# KiCad board vme-wren.kicad_pcb (continued)
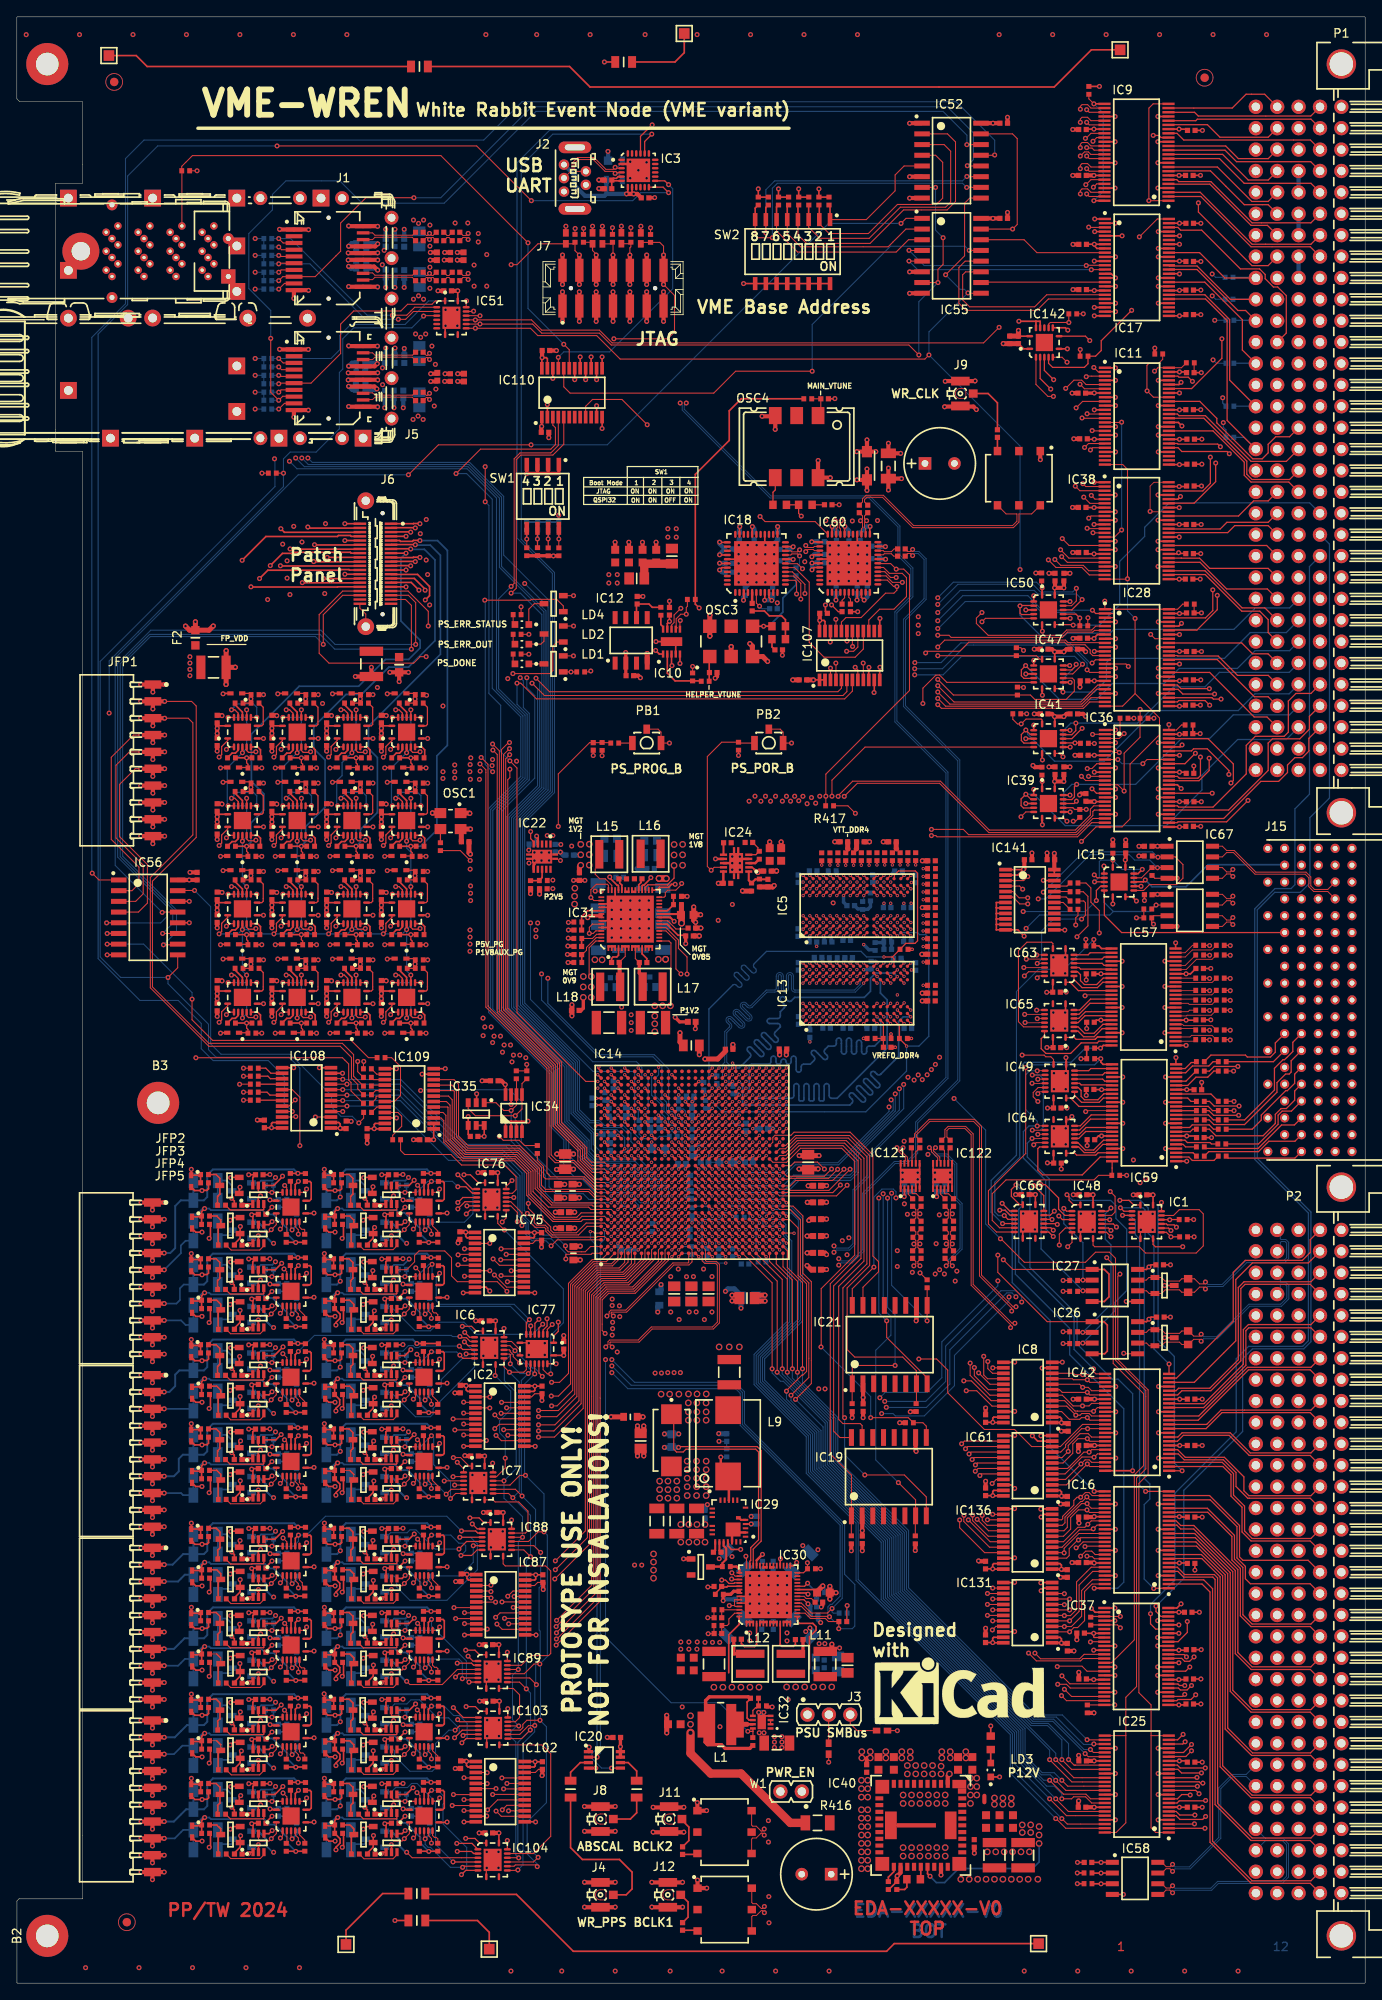
[diagram p0: board, top side]
## Placement (name value [footprint] x y rotation side) (continued)
IC54  SN74LVC1T45DCKT  [SOT65P210X110-6N]  28.69 78.95 90 top
IC55  SN74LV166ANS  [SOIC127P780X200-16N]  111 205.09 0 top
IC56  SN74LV166ANS  [SOIC127P780X200-16N]  15.6 126.54 0 top
IC57  DS90LV027AQMA_NOPB  [SOIC127P600X175-8N]  139.3 127.37 0 top
IC58  DS90LV027AQMA_NOPB  [SOIC127P600X175-8N]  132.8 12.44 0 top
IC59  SN74LVCH16T245DGG  [SOP50P810X120-48N]  133.88 103.34 180 top
IC60  SI5340B-D-GM  [QFN50P700X700X90-45N-S530]  98.8 168.59 90 top
IC61  SN74LXCH8T245PWR  [SOP65P640X120-24N]  120.06 61.44 180 top
IC62  SN74LVTH125RGY  [TEXAS_RGY (S-PVQFN-N14)]  46.29 117.04 90 top
IC63  SN74LV595ARGYR  [TEXAS_RGY (R-PVQFN-N16)]  123.8 120.84 180 top
IC64  SN74LV595ARGYR  [TEXAS_RGY (R-PVQFN-N16)]  123.87 100.54 180 top
IC65  SN74LV595ARGYR  [TEXAS_RGY (R-PVQFN-N16)]  123.8 114.29 180 top
IC66  SN74LV595ARGYR  [TEXAS_RGY (R-PVQFN-N16)]  120.21 90.44 0 top
IC67  DS90LV027AQMA_NOPB  [SOIC127P600X175-8N]  139.3 133.09 0 top
IC68  SN74LVC1T45DCKT  [SOT65P210X110-6N]  28.68 83.61 90 top
IC69  SN74LVTH125RGY  [TEXAS_RGY (S-PVQFN-N14)]  48.36 82.15 90 top
IC70  SN74LVC1T45DCKT  [SOT65P210X110-6N]  44.49 78.95 90 top
IC71  SN74LVC1T45DCKT  [SOT65P210X110-6N]  44.48 83.61 90 top
IC72  SN74LVTH125RGY  [TEXAS_RGY (S-PVQFN-N14)]  48.36 61.95 90 top
IC73  SN74LVC1T45DCKT  [SOT65P210X110-6N]  44.49 58.75 90 top
IC74  SN74LVC1T45DCKT  [SOT65P210X110-6N]  44.48 63.41 90 top
IC75  SN74LXCH8T245PWR  [SOP65P640X120-24N]  57.31 85.56 0 top
IC76  SN74LV595ARGYR  [TEXAS_RGY (R-PVQFN-N16)]  56.36 93.04 0 top
IC77  SN74LV595ARGYR  [TEXAS_RGY (R-PVQFN-N16)]  61.75 75.29 270 top
IC78  SN74LVTH125RGY  [TEXAS_RGY (S-PVQFN-N14)]  32.56 71.95 90 top
IC79  SN74LVC1T45DCKT  [SOT65P210X110-6N]  28.69 68.75 90 top
IC80  SN74LVC1T45DCKT  [SOT65P210X110-6N]  28.68 73.41 90 top
IC81  SN74LVTH125RGY  [TEXAS_RGY (S-PVQFN-N14)]  48.36 71.95 90 top
IC82  SN74LVC1T45DCKT  [SOT65P210X110-6N]  44.49 68.75 90 top
IC83  SN74LVC1T45DCKT  [SOT65P210X110-6N]  44.48 73.41 90 top
IC84  SN74LVTH125RGY  [TEXAS_RGY (S-PVQFN-N14)]  32.56 61.95 90 top
IC85  SN74LVC1T45DCKT  [SOT65P210X110-6N]  28.69 58.75 90 top
IC86  SN74LVC1T45DCKT  [SOT65P210X110-6N]  28.68 63.41 90 top
IC87  SN74LXCH8T245PWR  [SOP65P640X120-24N]  57.46 44.94 0 top
IC88  SN74LV595ARGYR  [TEXAS_RGY (R-PVQFN-N16)]  57 52.69 0 top
IC89  SN74LV595ARGYR  [TEXAS_RGY (R-PVQFN-N16)]  56.5 36.99 0 top
IC90  SN74LVTH125RGY  [TEXAS_RGY (S-PVQFN-N14)]  48.37 50.14 90 top
IC91  SN74LVC1T45DCKT  [SOT65P210X110-6N]  44.5 46.95 90 top
IC92  SN74LVC1T45DCKT  [SOT65P210X110-6N]  44.48 51.61 90 top
IC93  SN74LVTH125RGY  [TEXAS_RGY (S-PVQFN-N14)]  32.57 40.14 90 top
IC94  SN74LVC1T45DCKT  [SOT65P210X110-6N]  28.7 36.95 90 top
IC95  SN74LVC1T45DCKT  [SOT65P210X110-6N]  28.68 41.61 90 top
IC96  SN74LVTH125RGY  [TEXAS_RGY (S-PVQFN-N14)]  32.57 50.14 90 top
IC97  SN74LVC1T45DCKT  [SOT65P210X110-6N]  28.7 46.95 90 top
IC98  SN74LVC1T45DCKT  [SOT65P210X110-6N]  28.68 51.61 90 top
IC99  SN74LVTH125RGY  [TEXAS_RGY (S-PVQFN-N14)]  48.37 40.14 90 top
IC100  SN74LVC1T45DCKT  [SOT65P210X110-6N]  44.5 36.95 90 top
IC101  SN74LVC1T45DCKT  [SOT65P210X110-6N]  44.48 41.61 90 top
IC102  SN74LXCH8T245PWR  [SOP65P640X120-24N]  57.4 22.74 0 top
IC103  SN74LV595ARGYR  [TEXAS_RGY (R-PVQFN-N16)]  56.55 30.29 0 top
IC104  SN74LV595ARGYR  [TEXAS_RGY (R-PVQFN-N16)]  56.5 14.64 0 top
IC105  SN74LVTH125RGY  [TEXAS_RGY (S-PVQFN-N14)]  32.57 29.84 90 top
IC106  SN74LVC1T45DCKT  [SOT65P210X110-6N]  28.7 26.65 90 top
IC107  SN74LXCH8T245PWR  [SOP65P640X120-24N]  98.9 157.64 90 top
IC108  SN74LXCH8T245PWR  [SOP65P640X120-24N]  34.4 105.11 180 top
IC109  SN74LXCH8T245PWR  [SOP65P640X120-24N]  46.6 105 180 top
IC110  SN74LXCH8T245PWR  [SOP65P640X120-24N]  65.93 188.84 90 top
IC111  SN74LVC1T45DCKT  [SOT65P210X110-6N]  28.68 31.31 90 top
IC112  SN74LVTH125RGY  [TEXAS_RGY (S-PVQFN-N14)]  32.57 19.84 90 top
IC113  SN74LVC1T45DCKT  [SOT65P210X110-6N]  28.7 16.65 90 top
IC114  SN74LVC1T45DCKT  [SOT65P210X110-6N]  28.68 21.31 90 top
IC115  SN74LVTH125RGY  [TEXAS_RGY (S-PVQFN-N14)]  48.37 19.84 90 top
IC116  SN74LVC1T45DCKT  [SOT65P210X110-6N]  44.5 16.65 90 top
IC117  SN74LVC1T45DCKT  [SOT65P210X110-6N]  44.48 21.31 90 top
IC118  SN74LVTH125RGY  [TEXAS_RGY (S-PVQFN-N14)]  48.37 29.84 90 top
IC119  SN74LVC1T45DCKT  [SOT65P210X110-6N]  44.5 26.65 90 top
IC120  SN74LVC1T45DCKT  [SOT65P210X110-6N]  44.48 31.31 90 top
IC121  LTC6957IDD-2#PBF  [SON45P300X300X80-13N-R175X248]  106.09 95.84 90 top
IC122  LTC6957IDD-2#PBF  [SON45P300X300X80-13N-R175X248]  109.94 95.84 90 top
IC123  SN74LVCH16T245DGG  [SOP50P810X120-48N]  133.81 117.09 180 top
IC124  SN74LVTH125RGY  [TEXAS_RGY (S-PVQFN-N14)]  39.79 117.04 90 top
IC125  SN74LVTH125RGY  [TEXAS_RGY (S-PVQFN-N14)]  33.29 117.04 90 top
IC126  SN74LVTH125RGY  [TEXAS_RGY (S-PVQFN-N14)]  26.79 117.04 90 top
IC127  SN74LVTH125RGY  [TEXAS_RGY (S-PVQFN-N14)]  39.79 138.04 90 top
IC128  SN74LVTH125RGY  [TEXAS_RGY (S-PVQFN-N14)]  33.29 138.04 90 top
IC129  SN74LVTH125RGY  [TEXAS_RGY (S-PVQFN-N14)]  26.79 138.04 90 top
IC130  SN74LVTH125RGY  [TEXAS_RGY (S-PVQFN-N14)]  46.29 138.04 90 top
IC131  SN74LXCH8T245PWR  [SOP65P640X120-24N]  120.05 43.99 180 top
IC132  SN74LVTH125RGY  [TEXAS_RGY (S-PVQFN-N14)]  39.79 127.54 90 top
IC133  SN74LVTH125RGY  [TEXAS_RGY (S-PVQFN-N14)]  46.29 127.54 90 top
IC134  SN74LVTH125RGY  [TEXAS_RGY (S-PVQFN-N14)]  26.79 127.54 90 top
IC135  SN74LVTH125RGY  [TEXAS_RGY (S-PVQFN-N14)]  33.29 127.54 90 top
IC136  SN74LXCH8T245PWR  [SOP65P640X120-24N]  120.05 52.74 180 top
IC137  SN74LVTH125RGY  [TEXAS_RGY (S-PVQFN-N14)]  26.79 148.54 90 top
IC138  SN74LVTH125RGY  [TEXAS_RGY (S-PVQFN-N14)]  33.29 148.54 90 top
IC139  SN74LVTH125RGY  [TEXAS_RGY (S-PVQFN-N14)]  46.29 148.54 90 top
IC140  SN74LVTH125RGY  [TEXAS_RGY (S-PVQFN-N14)]  39.79 148.54 90 top
IC141  SN74LXCH8T245PWR  [SOP65P640X120-24N]  120.31 128.64 0 top
IC142  SN74LVTH125RGY  [TEXAS_RGY (S-PVQFN-N14)]  122.03 194.8 90 top
J1  SFP2 (bottom)  [TYCO_1888247-1]  37.02 204.82 0 top  (not fitted)
J2  -  [MOLEX_500075-1517]  66.28 214.32 90 top
J3  -  [SAMTEC_MTLW-103-07-L-S-250]  93.9 31.89 0 top
J4  -  [HIROSE_U.FL-R-SMT-1(10)]  69.31 10.49 90 top
J5  SFP2 (bottom)  [TYCO_1888247-1]  37.02 190.58 0 top
J6  SAMTEC_LSHM-120-02.5-L-DV-A-S  [SAMTEC_LSHM-120-02.5-X-DV-A-S]  42.59 168.54 90 top
J7  -  [MOLEX_87832-1420]  70.8 201.25 0 top
J8  -  [HIROSE_U.FL-R-SMT-1(10)]  69.31 19.49 90 top
J9  -  [HIROSE_U.FL-R-SMT-1(10)]  112.05 188.74 90 top
J11  -  [HIROSE_U.FL-R-SMT-1(10)]  77.46 19.49 90 top
J12  -  [HIROSE_U.FL-R-SMT-1(10)]  77.31 10.49 90 top
J13  -  [TYCO_2149027-1]  17 205.64 0 top  (not fitted)
J15  HARTING_17_25_095_2102  [HARTING_17 25 095 2102]  158.56 134.74 0 top
JFP1  -  [HARWIN_M22-6541042R]  16.15 145.19 90 top
JFP2  -  [HARWIN_M22-6541042R]  16.1 83.69 90 top
JFP3  -  [HARWIN_M22-6541042R]  16.1 63.19 90 top
JFP4  -  [HARWIN_M22-6541042R]  16.1 42.69 90 top
JFP5  -  [HARWIN_M22-6541042R]  16.1 22.19 90 top
L1  IND_10UH_20%_TDK_VLCF5020-1  [IND_TDK_VLCF5020-1]  83.59 30.7 180 top
L2  IND0805_WURTH_742792040  [INDC2012X110N]  80.1 111.34 180 top
L3  IND0805_MURATA_BLM21PG221SN1D  [INDC2012X105N]  47.8 187.99 270 bottom
L4  IND0805_MURATA_BLM21PG221SN1D  [INDC2012X105N]  47.8 193.49 90 bottom
L5  IND0603_MURATA_BLM18PG121SN1D  [INDC1608X95N]  84.23 97.46 180 bottom
L6  IND0603_MURATA_BLM18PG121SN1D  [INDC1608X95N]  76.2 99.06 0 bottom
L7  IND1206_MURATA_BLM31PG500SN1  [IND_MURATA_BLM31PG]  100.96 180.16 270 top
L8  IND0805_MURATA_BLM21PG221SN1D  [INDC2012X105N]  47.83 202.28 270 bottom
L9  IND_175NH_15%_PULSE_PA2607.181NL  [IND_PULSE_PA2607]  84.47 64.1 90 top
L11  IND_3.3UH_20%_COILCRAFT_XAL4030  [IND_COILCRAFT_XAL4030]  91.92 37.92 270 top
L12  IND_3.3UH_20%_COILCRAFT_XAL4030  [IND_COILCRAFT_XAL4030]  87.1 37.92 270 top
L13  IND0805_MURATA_BLM21PG221SN1D  [INDC2012X105N]  77.79 169.44 270 top
L14  IND0805_MURATA_BLM21PG221SN1D  [INDC2012X105N]  73.62 166.79 180 top
L15  IND_1.5UH_20%_COILCRAFT_XAL4020  [IND_COILCRAFT_XAL4020]  70.36 134.04 180 top
L16  IND_2.2UH_20%_COILCRAFT_XAL4020  [IND_COILCRAFT_XAL4020]  75.27 134.09 0 top
L17  IND_1.5UH_20%_COILCRAFT_XAL4020  [IND_COILCRAFT_XAL4020]  75.51 118.32 0 top
L18  IND_1.5UH_20%_COILCRAFT_XAL4020  [IND_COILCRAFT_XAL4020]  70.47 118.3 180 top
L19  IND0805_MURATA_BLM21PG221SN1D  [INDC2012X105N]  47.79 207.1 90 bottom
LD1  -  [LED_KINGBRIGHT_KPH-1608CGCK]  59.98 156.64 180 top
LD2  -  [LED_KINGBRIGHT_KPH-1608CGCK]  59.98 158.98 180 top
LD3  -  [LED_KINGBRIGHT_KPH-1608CGCK]  115.66 25.31 90 top
LD4  -  [LED_KINGBRIGHT_KPH-1608CGCK]  59.98 161.32 180 top
LOGO1  -  [KiCad-Logo_8mm_SilkScreen]  112 34.74 0 top
NUT5  -  [BOSSARD_BN628-1241427_v]  51.68 269.6 0 top
NUT6  -  [BOSSARD_BN628-1241427_v]  51.68 262.6 0 top
NUT7  -  [BOSSARD_BN628-1241427_v]  51.68 255.6 0 top
NUT8  -  [BOSSARD_BN628-1241427_v]  51.68 248.6 0 top
OSC1  OSC_50MHZ_EPSON_SG-8018CE  [OSC_EPSON_SG-8018CE]  51.5 137.98 270 top
OSC3  OSC_25MHZ_KYOCERA_KV7050B25.0000C3GD00  [OSC_KYOCERA_KV7050B-C3]  84.84 159.31 90 top
OSC4  OSC_10MHZ_CONNOR-WINFIELD_DOT050V-010.0M  [OSC_CONNOR-WINFIELD_DOT050V]  92.61 182.44 270 top
P1  HARTING_02_01_160_2101  [HARTING_02 01 160 2101]  157.3 222.78 0 top
P2  HARTING_02_01_160_2101  [HARTING_02 01 160 2101]  157.3 89.43 0 top
PB1  -  [PB_OMRON_B3U-1100P]  74.8 147.24 180 top
PB2  -  [PB_OMRON_B3U-1100P]  89.3 147.24 180 top
R1  R0402_240R_1%_0.0625W_100PPM  [RESC1005X40N]  81.79 104.33 90 bottom
R2  R0402_300R_1%_0.0625W_100PPM  [RESC1005X40N]  59.41 157.81 0 top
R3  R0402_300R_1%_0.0625W_100PPM  [RESC1005X40N]  59.41 160.15 0 top
R4  R0402_300R_1%_0.0625W_100PPM  [RESC1005X40N]  59.41 162.49 0 top
R5  R0402_4K7_1%_0.0625W_100PPM  [RESC1005X40N]  66.96 155.69 0 top
R6  R0402_10K_1%_0.0625W_100PPM  [RESC1005X40N]  49.01 90.82 90 bottom
R7  R0402_10K_1%_0.0625W_100PPM  [RESC1005X40N]  64.35 172.99 90 bottom
R8  R0402_4K7_1%_0.0625W_100PPM  [RESC1005X40N]  106.7 52.64 270 top
R9  R0402_4K7_1%_0.0625W_100PPM  [RESC1005X40N]  78.59 104.26 90 bottom
R10  R0402_10K_1%_0.0625W_100PPM  [RESC1005X40N]  45.8 94.74 180 bottom
R11  R0402_500R_0.1%_0.05W_25PPM_VISHAY_PNM  [RESC1106X84N]  72.33 103.46 90 bottom
R12  R0402_4K7_1%_0.0625W_100PPM  [RESC1005X40N]  106 66.54 180 top
R13  R0402_4K7_1%_0.0625W_100PPM  [RESC1005X40N]  99.1 52.64 270 top
R14  R0402_4K7_1%_0.0625W_100PPM  [RESC1005X40N]  106.8 68.34 270 top
R15  R0402_4K7_1%_0.0625W_100PPM  [RESC1005X40N]  108.1 83.04 90 top
R16  R0402_4K7_1%_0.0625W_100PPM  [RESC1005X40N]  99.2 68.34 270 top
R17  R0402_4K7_1%_0.0625W_100PPM  [RESC1005X40N]  29.8 186.9 180 bottom
R18  R0402_4K7_1%_0.0625W_100PPM  [RESC1005X40N]  29.8 188.9 180 bottom
R19  R0402_4K7_1%_0.0625W_100PPM  [RESC1005X40N]  29.8 187.94 180 bottom
R20  R0402_240R_1%_0.0625W_100PPM  [RESC1005X40N]  85.91 90.94 0 bottom
R21  R0402_240R_1%_0.0625W_100PPM  [RESC1005X40N]  75.47 89.72 270 bottom
R22  R0402_240R_1%_0.0625W_100PPM  [RESC1005X40N]  88.5 85.64 180 bottom
R23  R0402_240R_1%_0.0625W_100PPM  [RESC1005X40N]  96.96 121.75 0 bottom
R24  R0402_10K_1%_0.0625W_100PPM  [RESC1005X40N]  63.12 172.98 90 bottom
R25  R0402_4K7_1%_0.0625W_100PPM  [RESC1005X40N]  98.13 42.93 0 bottom
R26  R0402_4K7_1%_0.0625W_100PPM  [RESC1005X40N]  98.13 43.94 0 bottom
R27  R0402_22R_1%_0.0625W_100PPM  [RESC1005X40N]  50.3 134.94 270 top
R28  R0402_4R7_1%_0.0625W_200PPM  [RESC1005X40N]  47.79 88.43 270 top
R29  R0402_4R7_1%_0.0625W_200PPM  [RESC1005X40N]  49.99 88.44 270 top
R30  R0402_4K7_1%_0.0625W_100PPM  [RESC1005X40N]  29.8 191.9 180 bottom
R31  R0402_4K7_1%_0.0625W_100PPM  [RESC1005X40N]  29.8 190.9 180 bottom
R32  R0402_4R7_1%_0.0625W_200PPM  [RESC1005X40N]  50.07 95.66 90 top
R33  R0402_4R7_1%_0.0625W_200PPM  [RESC1005X40N]  48.28 95.68 90 top
R34  R0402_240R_1%_0.0625W_100PPM  [RESC1005X40N]  96.83 132.07 0 bottom
R35  R0402_1K_1%_0.0625W_100PPM  [RESC1005X40N]  38.09 95.03 180 top
R36  R0402_1K_1%_0.0625W_100PPM  [RESC1005X40N]  38.21 90.09 180 top
R37  R0402_75K_1%_0.0625W_100PPM  [RESC1005X40N]  84.3 62.96 90 bottom
R38  R0805_4R7_1%_0.125W_200PPM  [RESC2012X60N]  73.61 23.04 270 top
R39  R0805_4R7_1%_0.125W_200PPM  [RESC2012X60N]  65.76 23.04 270 top
R40  R0402_10K_1%_0.0625W_100PPM  [RESC1005X40N]  127.13 32.56 270 top
R41  R1206_91R_1%_0.25W_100PPM  [RESC3216X65N]  38.21 88.15 180 bottom
R42  R0402_100R_1%_0.0625W_100PPM  [RESC1005X40N]  38.09 96.01 0 top
R43  R0402_100R_1%_0.0625W_100PPM  [RESC1005X40N]  38.21 91.09 0 top
R44  R0402_100R_1%_0.0625W_100PPM  [RESC1005X40N]  101.46 112.17 0 top
R45  R0402_100R_1%_0.0625W_100PPM  [RESC1005X40N]  40.11 92.37 0 top
R46  R0402_4K7_1%_0.0625W_100PPM  [RESC1005X40N]  75.26 207.16 90 top
R47  R0402_100R_1%_0.0625W_100PPM  [RESC1005X40N]  40.19 87.63 0 top
R48  R0402_10K_1%_0.0625W_100PPM  [RESC1005X40N]  30 94.74 180 bottom
R49  R0402_10K_1%_0.0625W_100PPM  [RESC1005X40N]  30 84.74 180 bottom
R50  R0402_4R7_1%_0.0625W_200PPM  [RESC1005X40N]  31.99 88.43 270 top
R51  R0402_4K7_1%_0.0625W_100PPM  [RESC1005X40N]  66.29 207.17 90 top
R52  R0402_4K7_1%_0.0625W_100PPM  [RESC1005X40N]  67.29 207.17 90 top
R53  R0402_4K7_1%_0.0625W_100PPM  [RESC1005X40N]  70.74 207.17 90 top
R54  R0402_4K7_1%_0.0625W_100PPM  [RESC1005X40N]  72.92 207.18 90 top
R55  R0402_10K_1%_0.0625W_100PPM  [RESC1005X40N]  143.96 202.54 180 bottom
R56  R0402_10K_1%_0.0625W_100PPM  [RESC1005X40N]  143.96 199.94 180 bottom
R57  R0402_240R_1%_0.0625W_100PPM  [RESC1005X40N]  81.75 154.58 0 top
R58  R0402_240R_1%_0.0625W_100PPM  [RESC1005X40N]  93.93 188.12 0 top
R59  R0402_10K_1%_0.0625W_100PPM  [RESC1005X40N]  144.06 197.44 180 bottom
R60  R0402_10K_1%_0.0625W_100PPM  [RESC1005X40N]  144.06 192.34 180 bottom
R61  R0402_10K_1%_0.0625W_100PPM  [RESC1005X40N]  144.06 187.24 180 bottom
R62  R0402_10K_1%_0.0625W_100PPM  [RESC1005X40N]  62.53 130.92 0 top
R63  R0402_1K_1%_0.0625W_100PPM  [RESC1005X40N]  80.19 91.6 270 bottom
R64  R0402_4K7_1%_0.0625W_100PPM  [RESC1005X40N]  61.01 130.44 90 top
R65  R0402_0R_JUMPER  [RESC1005X40N]  92.53 167.57 90 bottom
R66  R0402_0R_JUMPER  [RESC1005X40N]  80.1 164.29 0 top
R67  R0402_10K_1%_0.0625W_100PPM  [RESC1005X40N]  144.06 183.54 180 bottom
R68  R0402_10K_1%_0.0625W_100PPM  [RESC1005X40N]  125.5 75.94 0 top
R69  R0402_10K_1%_0.0625W_100PPM  [RESC1005X40N]  125.5 83.43 180 top
R70  R0402_39R2_1%_0.063W_100PPM  [RESC1005X40N]  108.62 125.86 0 top
R71  R0402_39R2_1%_0.063W_100PPM  [RESC1005X40N]  103.99 133.75 90 top
R72  R0402_39R2_1%_0.063W_100PPM  [RESC1005X40N]  108.62 124.01 0 top
R73  R0402_39R2_1%_0.063W_100PPM  [RESC1005X40N]  102.15 133.75 90 top
R74  R0402_39R2_1%_0.063W_100PPM  [RESC1005X40N]  108.63 128.64 0 top
R75  R0402_39R2_1%_0.063W_100PPM  [RESC1005X40N]  103.07 133.75 90 top
R76  R0402_39R2_1%_0.063W_100PPM  [RESC1005X40N]  108.62 124.93 0 top
R77  R0402_39R2_1%_0.063W_100PPM  [RESC1005X40N]  104.9 133.75 90 top
R78  R0402_39R2_1%_0.063W_100PPM  [RESC1005X40N]  108.62 123.08 0 top
R79  R0402_39R2_1%_0.063W_100PPM  [RESC1005X40N]  105.82 133.76 90 top
R80  R0402_39R2_1%_0.063W_100PPM  [RESC1005X40N]  108.63 130.48 0 top
R81  R0402_39R2_1%_0.063W_100PPM  [RESC1005X40N]  108.63 121.24 0 top
R82  R0402_39R2_1%_0.063W_100PPM  [RESC1005X40N]  100.3 133.75 90 top
R83  R0402_39R2_1%_0.063W_100PPM  [RESC1005X40N]  106.75 133.75 90 top
R84  R0402_39R2_1%_0.063W_100PPM  [RESC1005X40N]  108.62 131.41 0 top
R85  R0402_39R2_1%_0.063W_100PPM  [RESC1005X40N]  99.37 133.75 90 top
R86  R0402_0R_JUMPER  [RESC1005X40N]  80.25 155.09 270 top
R87  R0603_120R_1%_0.2W_200PPM  [RESC1608X55N]  139.1 82.83 90 top
R88  R0603_120R_1%_0.2W_200PPM  [RESC1608X55N]  139.1 76.63 90 top
R89  R0402_10K_1%_0.0625W_100PPM  [RESC1005X40N]  131.49 150.19 0 top
R90  R0402_10K_1%_0.0625W_100PPM  [RESC1005X40N]  139.21 149.39 0 top
R91  R0402_39R2_1%_0.063W_100PPM  [RESC1005X40N]  97.51 133.74 90 top
R92  R0402_10K_1%_0.0625W_100PPM  [RESC1005X40N]  133.86 150.19 0 top
R93  R0402_4R7_1%_0.0625W_200PPM  [RESC1005X40N]  44.99 113.99 0 top
R94  R0402_0R_JUMPER  [RESC1005X40N]  76.48 162.89 270 top
R95  R0402_10K_1%_0.0625W_100PPM  [RESC1005X40N]  127.53 42.99 270 top
R96  R0402_39R2_1%_0.063W_100PPM  [RESC1005X40N]  96.56 133.74 90 top
R97  R0402_39R2_1%_0.063W_100PPM  [RESC1005X40N]  108.63 132.33 0 top
R98  R0402_10K_1%_0.0625W_100PPM  [RESC1005X40N]  139.36 163.74 0 top
R99  R0402_10K_1%_0.0625W_100PPM  [RESC1005X40N]  127.31 224.74 90 top
R100  R0402_90K9_1%_0.063W_100PPM  [RESC1005X40N]  103.5 11.59 90 top
R101  R0402_10K_1%_0.0625W_100PPM  [RESC1005X40N]  118.75 150.71 0 top
R102  R0402_10K_1%_0.0625W_100PPM  [RESC1005X40N]  121.74 143.91 90 top
R103  R0402_10K_1%_0.0625W_100PPM  [RESC1005X40N]  138.56 88.61 0 top
R104  R0402_10K_1%_0.0625W_100PPM  [RESC1005X40N]  138.51 90.66 0 top
R105  R0402_39R2_1%_0.063W_100PPM  [RESC1005X40N]  108.62 118.47 0 top
R106  R0402_39R2_1%_0.063W_100PPM  [RESC1005X40N]  98.44 133.75 90 top
R107  R0402_39R2_1%_0.063W_100PPM  [RESC1005X40N]  95.59 133.74 90 top
R108  R0402_39R2_1%_0.063W_100PPM  [RESC1005X40N]  108.62 126.78 0 top
R109  R0402_39R2_1%_0.063W_100PPM  [RESC1005X40N]  101.22 133.75 90 top
R110  R0402_39R2_1%_0.063W_100PPM  [RESC1005X40N]  108.62 129.56 0 top
R111  R0402_36R_1%_0.0625W_100PPM  [RESC1005X40N]  100.45 127.96 270 bottom
R112  R0402_36R_1%_0.0625W_100PPM  [RESC1005X40N]  101.38 128.96 270 bottom
R113  R0402_4K7_1%_0.0625W_100PPM  [RESC1005X40N]  105.36 122.75 0 top
R114  R0402_10K_1%_0.0625W_100PPM  [RESC1005X40N]  139.36 192.39 0 top
R115  R0402_4K7_1%_0.0625W_100PPM  [RESC1005X40N]  105.29 112.16 180 top
R116  R0402_33R_1%_0.0625W_100PPM  [RESC1005X40N]  140.56 103.59 0 top
R117  R0402_10K_1%_0.0625W_100PPM  [RESC1005X40N]  125.5 77.34 180 top
R118  R0402_10K_1%_0.0625W_100PPM  [RESC1005X40N]  61.85 173.02 90 bottom
R119  R0402_100R_1%_0.0625W_100PPM  [RESC1005X40N]  101.93 123.08 90 bottom
R120  R0402_10K_1%_0.0625W_100PPM  [RESC1005X40N]  87.4 28.69 90 top
R121  R0402_10K_1%_0.0625W_100PPM  [RESC1005X40N]  125.5 82.14 0 top
R122  R0402_10K_1%_0.0625W_100PPM  [RESC1005X40N]  134.31 126.49 0 top
R123  R0402_4R7_1%_0.0625W_200PPM  [RESC1005X40N]  34.19 88.44 270 top
R124  R0402_10K_1%_0.0625W_100PPM  [RESC1005X40N]  134.31 127.54 0 top
R125  R0402_10K_1%_0.0625W_100PPM  [RESC1005X40N]  87.25 130.14 270 top
R126  R0402_10K_1%_0.0625W_100PPM  [RESC1005X40N]  127.21 13.09 0 top
R127  R0402_10K_1%_0.0625W_100PPM  [RESC1005X40N]  88.19 130.63 90 top
R128  R0402_10K_1%_0.0625W_100PPM  [RESC1005X40N]  60.55 173.01 90 bottom
R129  R0402_4R7_1%_0.0625W_200PPM  [RESC1005X40N]  34.27 95.66 90 top
R130  R0402_4R7_1%_0.0625W_200PPM  [RESC1005X40N]  32.48 95.68 90 top
R131  R0402_1K_1%_0.0625W_100PPM  [RESC1005X40N]  22.29 95.03 180 top
R132  R0402_1K_1%_0.0625W_100PPM  [RESC1005X40N]  22.41 90.09 180 top
R133  R0402_10K_1%_0.0625W_100PPM  [RESC1005X40N]  127.53 111.01 180 top
R134  R0402_10R_1%_0.0625W_200PPM  [RESC1005X40N]  88.18 133.92 90 top
R135  R1206_91R_1%_0.25W_100PPM  [RESC3216X65N]  22.41 88.15 180 bottom
R136  R0402_100R_1%_0.0625W_100PPM  [RESC1005X40N]  22.29 96.01 0 top
R137  R0402_100R_1%_0.0625W_100PPM  [RESC1005X40N]  22.41 91.09 0 top
R138  R0402_100R_1%_0.0625W_100PPM  [RESC1005X40N]  24.31 92.37 0 top
R139  R0402_100R_1%_0.0625W_100PPM  [RESC1005X40N]  24.39 87.63 0 top
R140  R0402_10K_1%_0.0625W_100PPM  [RESC1005X40N]  45.8 84.74 180 bottom
R141  R0402_10K_1%_0.0625W_100PPM  [RESC1005X40N]  45.8 64.54 180 bottom
R142  R0402_4R7_1%_0.0625W_200PPM  [RESC1005X40N]  31.99 78.43 270 top
R143  R0402_4R7_1%_0.0625W_200PPM  [RESC1005X40N]  34.19 78.44 270 top
R144  R0402_4R7_1%_0.0625W_200PPM  [RESC1005X40N]  34.27 85.66 90 top
R145  R0402_4R7_1%_0.0625W_200PPM  [RESC1005X40N]  32.48 85.68 90 top
R146  R0402_1K_1%_0.0625W_100PPM  [RESC1005X40N]  22.29 85.03 180 top
R147  R0402_1K_1%_0.0625W_100PPM  [RESC1005X40N]  22.41 80.09 180 top
R148  R0402_10K_1%_0.0625W_100PPM  [RESC1005X40N]  127.43 123.16 180 top
R149  R1206_91R_1%_0.25W_100PPM  [RESC3216X65N]  22.41 80.5 180 bottom
R150  R0402_100R_1%_0.0625W_100PPM  [RESC1005X40N]  22.29 86.01 0 top
R151  R0402_100R_1%_0.0625W_100PPM  [RESC1005X40N]  22.41 81.09 0 top
R152  R0402_100R_1%_0.0625W_100PPM  [RESC1005X40N]  24.31 82.37 0 top
R153  R0402_100R_1%_0.0625W_100PPM  [RESC1005X40N]  24.39 77.63 0 top
R154  R0402_10K_1%_0.0625W_100PPM  [RESC1005X40N]  30 74.54 180 bottom
R155  R0402_10K_1%_0.0625W_100PPM  [RESC1005X40N]  45.8 74.54 180 bottom
R156  R0402_4R7_1%_0.0625W_200PPM  [RESC1005X40N]  47.79 78.43 270 top
R157  R0402_4R7_1%_0.0625W_200PPM  [RESC1005X40N]  49.99 78.44 270 top
R158  R0402_4R7_1%_0.0625W_200PPM  [RESC1005X40N]  50.07 85.66 90 top
R159  R0402_4R7_1%_0.0625W_200PPM  [RESC1005X40N]  48.28 85.68 90 top
R160  R0402_100R_1%_0.0625W_100PPM  [RESC1005X40N]  64.37 169.95 90 top
R161  R0402_100R_1%_0.0625W_100PPM  [RESC1005X40N]  63.11 169.95 90 top
R162  R0402_100R_1%_0.0625W_100PPM  [RESC1005X40N]  61.83 169.97 90 top
R163  R0402_100R_1%_0.0625W_100PPM  [RESC1005X40N]  60.56 169.96 90 top
R164  R0402_4R7_1%_0.0625W_200PPM  [RESC1005X40N]  47.89 113.99 180 top
R165  R0402_300R_1%_0.0625W_100PPM  [RESC1005X40N]  104.5 11.59 270 top
R166  R0402_1K_1%_0.0625W_100PPM  [RESC1005X40N]  38.09 85.03 180 top
R167  R0402_1K_1%_0.0625W_100PPM  [RESC1005X40N]  38.21 80.09 180 top
R168  R0402_4K7_1%_0.0625W_100PPM  [RESC1005X40N]  85.7 146.87 270 top
R169  R0402_4K7_1%_0.0625W_100PPM  [RESC1005X40N]  60.57 107.85 90 top
R170  R0402_4K7_1%_0.0625W_100PPM  [RESC1005X40N]  69.5 146.84 270 top
R171  R0402_10K_1%_0.0625W_100PPM  [RESC1005X40N]  130.5 95.91 0 top
R172  R1206_91R_1%_0.25W_100PPM  [RESC3216X65N]  38.21 78.15 180 bottom
R173  R0402_100R_1%_0.0625W_100PPM  [RESC1005X40N]  38.09 86.01 0 top
R174  R0402_100R_1%_0.0625W_100PPM  [RESC1005X40N]  38.21 81.09 0 top
R175  R0402_100R_1%_0.0625W_100PPM  [RESC1005X40N]  40.11 82.37 0 top
R176  R0402_100R_1%_0.0625W_100PPM  [RESC1005X40N]  40.19 77.63 0 top
R177  R0402_10K_1%_0.0625W_100PPM  [RESC1005X40N]  30 64.54 180 bottom
R178  R0402_10K_1%_0.0625W_100PPM  [RESC1005X40N]  45.81 52.74 180 bottom
R179  R0402_4R7_1%_0.0625W_200PPM  [RESC1005X40N]  47.79 58.23 270 top
R180  R0402_4R7_1%_0.0625W_200PPM  [RESC1005X40N]  49.99 58.24 270 top
R181  R0603_15R_1%_0.1W_100PPM  [RESC1608X55N]  106.5 12.34 0 top
R182  R0402_4R7_1%_0.0625W_200PPM  [RESC1005X40N]  50.07 65.46 90 top
R183  R0402_4R7_1%_0.0625W_200PPM  [RESC1005X40N]  48.28 65.48 90 top
R184  R0402_1K_1%_0.0625W_100PPM  [RESC1005X40N]  38.09 64.83 180 top
R185  R0402_1K_1%_0.0625W_100PPM  [RESC1005X40N]  38.21 59.89 180 top
R186  R0402_10K_1%_0.0625W_100PPM  [RESC1005X40N]  127.53 109.76 180 top
R187  R0402_33R_1%_0.0625W_100PPM  [RESC1005X40N]  41.63 107.54 180 top
R188  R0402_33R_1%_0.0625W_100PPM  [RESC1005X40N]  41.63 108.56 180 top
R189  R0402_10K_1%_0.0625W_100PPM  [RESC1005X40N]  126.24 138.89 270 top
R190  R0402_22R_1%_0.0625W_100PPM  [RESC1005X40N]  77.96 100.56 0 bottom
R191  R0402_22R_1%_0.0625W_100PPM  [RESC1005X40N]  71 147.24 0 top
R192  R0402_10K_1%_0.0625W_100PPM  [RESC1005X40N]  127.21 11.81 0 top
R193  R0402_33R_1%_0.0625W_100PPM  [RESC1005X40N]  61.81 98.99 90 top
R194  R0402_100R_1%_0.0625W_100PPM  [RESC1005X40N]  103.36 112.17 0 top
R195  R0402_100R_1%_0.0625W_100PPM  [RESC1005X40N]  103.43 123.62 0 bottom
R196  R0402_10K_1%_0.0625W_100PPM  [RESC1005X40N]  30.01 42.74 180 bottom
R197  R0402_10K_1%_0.0625W_100PPM  [RESC1005X40N]  33.21 90.82 90 bottom
R198  R0402_10K_1%_0.0625W_100PPM  [RESC1005X40N]  33.21 80.82 90 bottom
R199  R0603_523R_0.1%_0.063W_10PPM  [RESC1608X55N]  90.6 175.53 0 top
R200  R0603_442R_0.1%_0.063W_10PPM  [RESC1608X55N]  93.65 175.53 180 top
R201  R0603_523R_0.1%_0.063W_10PPM  [RESC1608X55N]  90.48 161.1 0 top
R202  R0603_442R_0.1%_0.063W_10PPM  [RESC1608X55N]  90.48 159.58 0 top
R203  R0402_10K_1%_0.0625W_100PPM  [RESC1005X40N]  49.01 80.82 90 bottom
R204  R0402_10K_1%_0.0625W_100PPM  [RESC1005X40N]  126.79 147.21 0 top
R205  R0402_2R2_1%_0.0625W_200PPM  [RESC1005X40N]  83.43 46.16 180 top
R206  R0402_1K4_1%_0.063W_100PPM  [RESC1005X40N]  95.46 46.38 0 bottom
R207  R0402_1K_1%_0.0625W_100PPM  [RESC1005X40N]  94.98 45.13 270 bottom
R208  R0402_2K87_1%_0.063W_100PPM  [RESC1005X40N]  83.26 42.46 0 top
R209  R0402_2K87_1%_0.063W_100PPM  [RESC1005X40N]  83.26 44.34 0 top
R210  R0402_1M1_1%_0.0625W_100PPM  [RESC1005X40N]  87.61 33.83 0 top
R211  R0402_210K_1%_0.063W_100PPM  [RESC1005X40N]  88.55 32.92 180 top
R212  R0402_10K_1%_0.0625W_100PPM  [RESC1005X40N]  94.37 49.2 180 top
R213  R0402_2R2_1%_0.0625W_200PPM  [RESC1005X40N]  66.62 125.99 0 top
R214  R0402_698R_1%_0.063W_100PPM  [RESC1005X40N]  78.46 128.05 0 top
R215  R0402_1K_1%_0.0625W_100PPM  [RESC1005X40N]  78.45 129.04 0 top
R216  R0402_3K48_1%_0.063W_100PPM  [RESC1005X40N]  66.62 121.19 0 top
R217  R0402_3K48_1%_0.063W_100PPM  [RESC1005X40N]  66.62 124.04 0 top
R218  R0402_4R7_1%_0.0625W_200PPM  [RESC1005X40N]  38.49 134.99 0 top
R219  R0402_4R7_1%_0.0625W_200PPM  [RESC1005X40N]  41.39 134.99 180 top
R220  R0402_4R7_1%_0.0625W_200PPM  [RESC1005X40N]  41.29 141.49 180 top
R221  R0402_33R_1%_0.0625W_100PPM  [RESC1005X40N]  142.92 117.87 0 top